# Altium PCB matrix.PcbDoc (part 1 of 5)
Units mm, origin at the board's own origin, x right, y up, seen from the top; angles counter-clockwise.
Board outline 350 x 105 mm, 2 copper layers (Top Layer, Bottom Layer), stack 1.571 mm thick; 187 components, 143 nets, 1443 pads, 602 vias.
Unrouted connection lines stored in the file: 3.
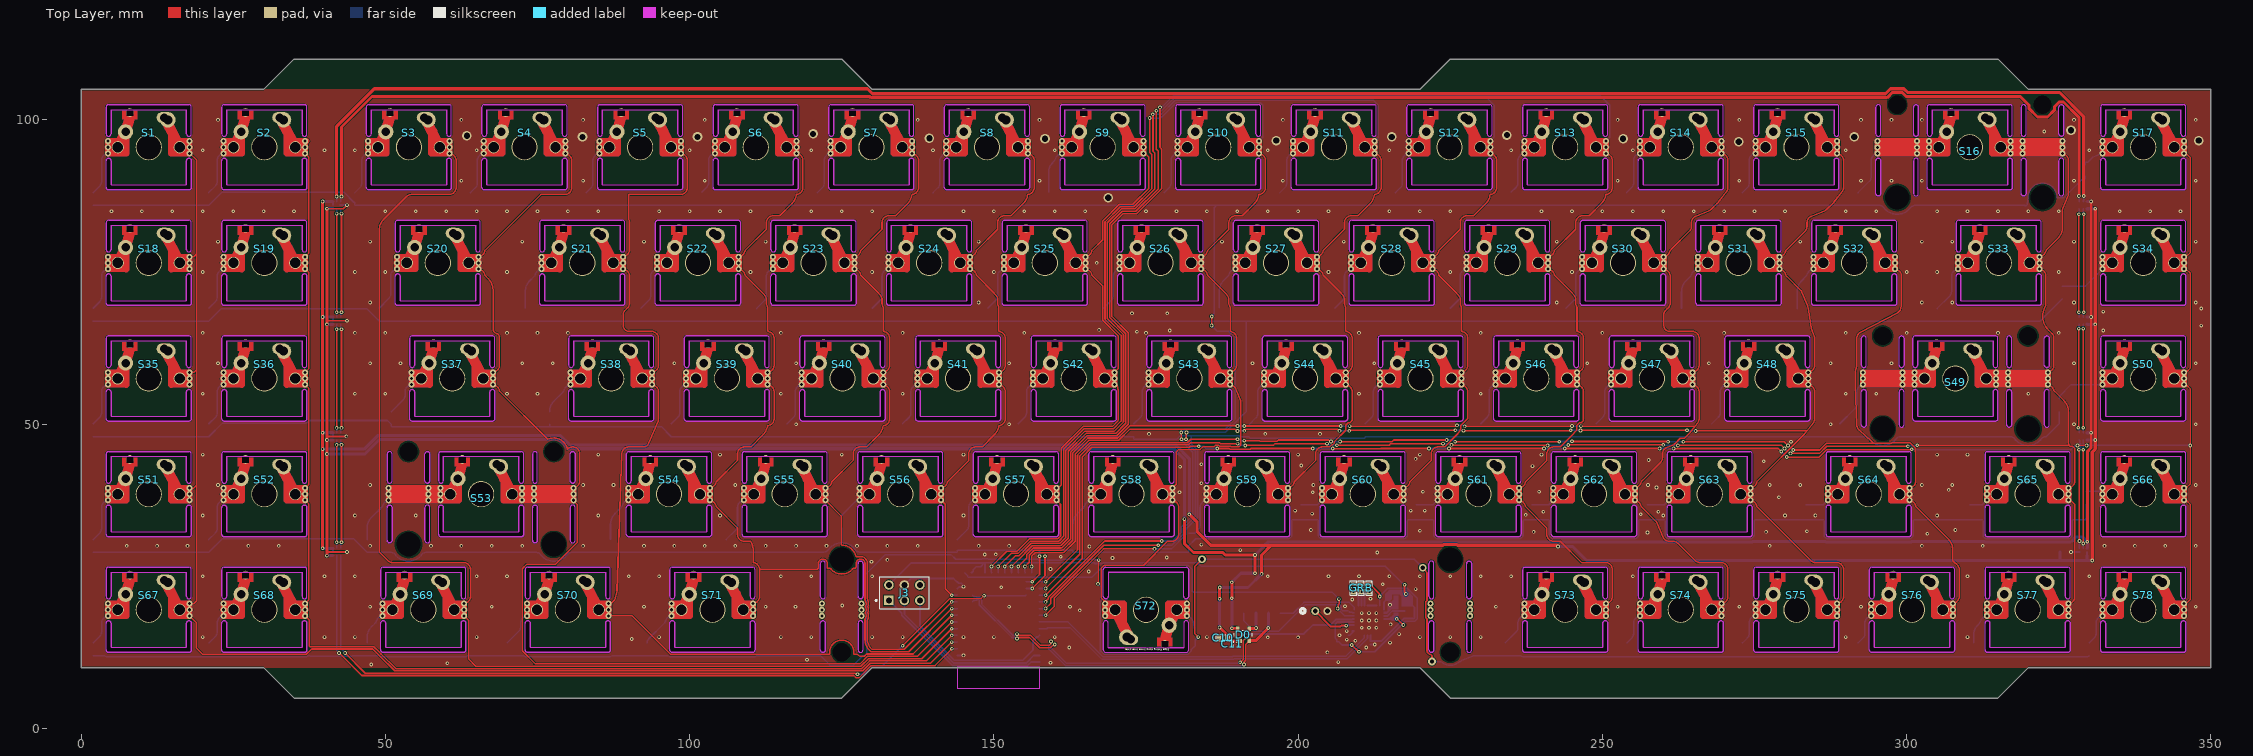
[diagram p0: Top Layer view]
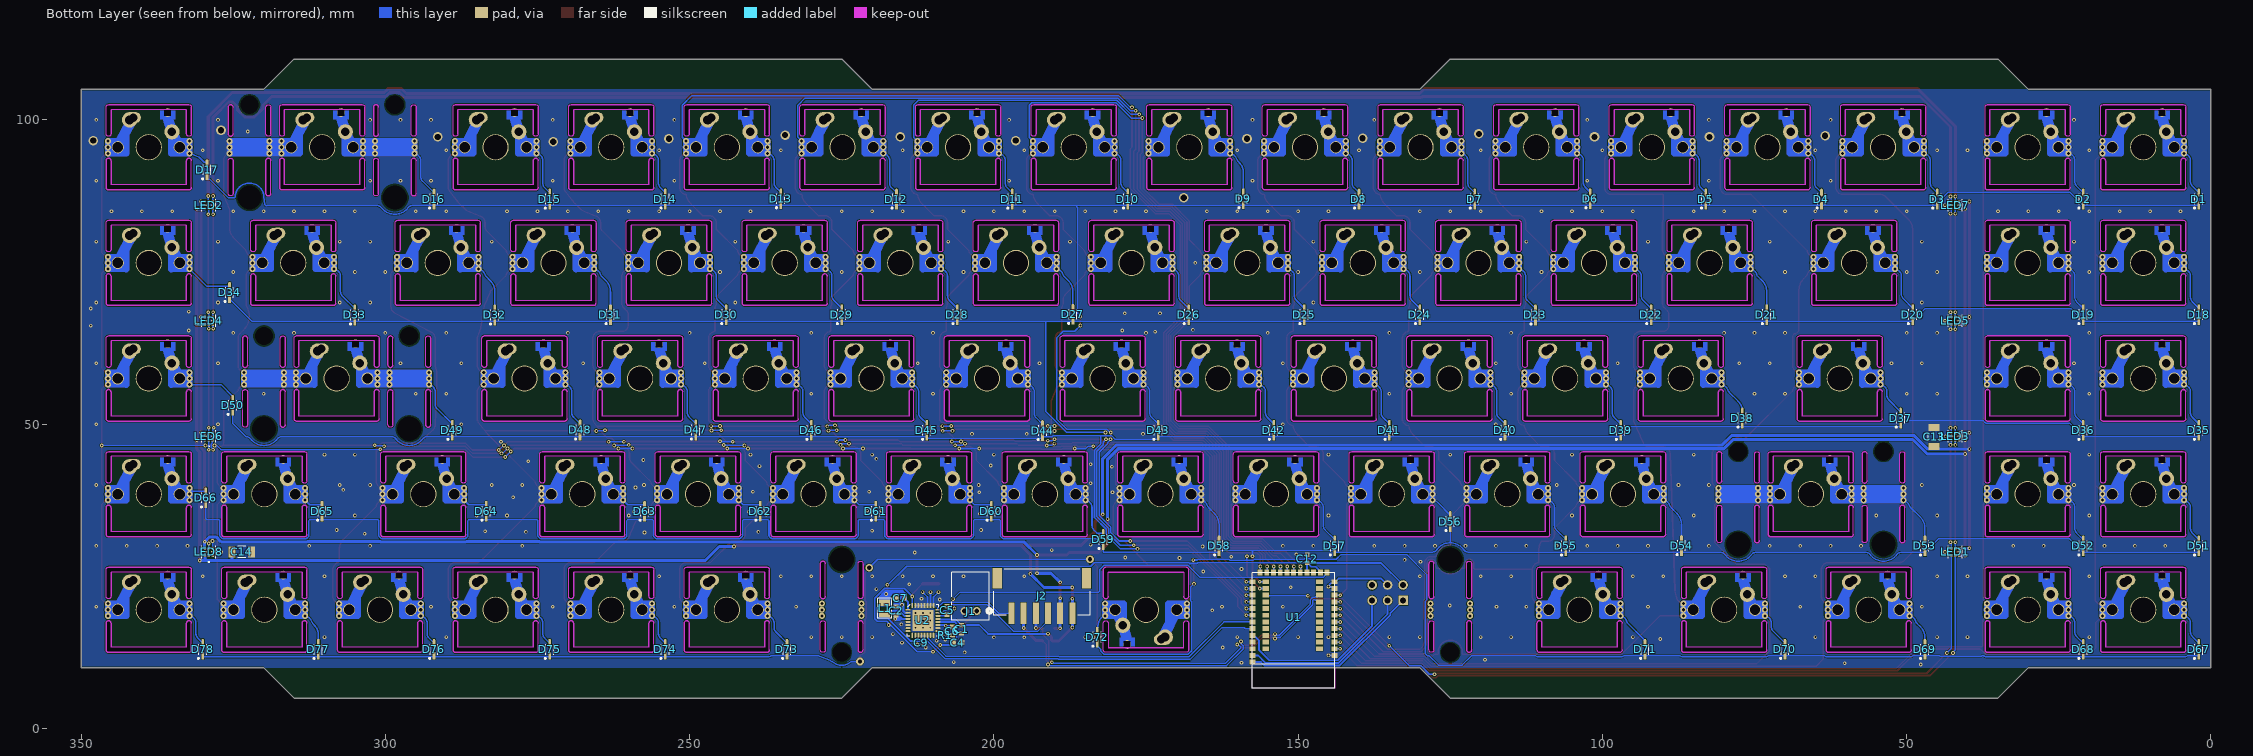
[diagram p1: Bottom Layer view, seen from below]

## Layer stack, top to bottom
Top Solder: solder mask 0.0102, Solder Resist, Dk 3.5
Top Layer: signal copper 0.0356
Dielectric2: dielectric 1.5, FR-4, Dk 4.8
Bottom Layer: signal copper 0.0356
Bottom Solder: solder mask 0.0102, Solder Resist, Dk 3.5

## Board outline
220,105 225,110 315,110 320,105 350,105 350,10 320,10 315,5 225,5 220,10 130,10 125,5 35,5 30,10 0,10 0,105 30,105 35,110 125,110 130,105

## Design rules (kind name [scope] priority, off if disabled: settings)
BoardOutlineClearance [All] p1: gap=0.2 ignorepadtopadclearanceinfootprint=FALSE
Clearance [All] p1: gap=0.127 ignorepadtopadclearanceinfootprint=FALSE except(0.25: Arc-Hole Track-Hole SMDPad-Hole THPad-Hole Via-Hole Fill-Hole Poly-Hole Region-Hole Text-Hole)
ComponentClearance [All] p1: gap=0.127 collisioncheckmode=3 verticalgap=0.127 showdistances=TRUE
DiffPairsRouting [All] p1: maxlimit=0.254 minlimit=0.127 mostfreqgap=0.127 toplayer_minwidth=0.127 toplayer_maxwidth=25.4 toplayer_prefwidth=0.127 bottomlayer_minwidth=0.127 bottomlayer_maxwidth=25.4 bottomlayer_prefwidth=0.127 maxuncoupledlength=12.7
Height [All] p1: minheight=0 maxheight=1816.048 prefheight=12.7
HoleSize [All] p1: absolutevalues=TRUE maxlimit=6.3 minlimit=0.3 maxpercent=80.000 minpercent=20.000
HoleToHoleClearance [All] p1: gap=0.25 allowstackedmicrovias=FALSE
MinimumAnnularRing [All] p1: minimumring=0.076
MinimumSolderMaskSliver [All] p1: minsoldermaskwidth=0
PlaneClearance [All] p1: clearance=0.127
PlaneConnect PlaneConnectPowerPads [InPadClass('PowerPads')] p1: planeconnectstyle=Direct reliefexpansion=0.508 reliefentries=4 reliefconductorwidth=0.254 reliefairgap=0.254
PlaneConnect [All] p2: planeconnectstyle=Direct reliefexpansion=0.3 reliefentries=4 reliefconductorwidth=0.127 reliefairgap=0.127
PolygonConnect PolygonConnectPowerPads [All vs (InPadClass('PowerPads'))] p1: connectstyle=Direct reliefconductorwidth=0.254 reliefentries=4 polygonreliefangle="90 Angle" airgapwidth=0.254
PolygonConnect [All] p2: connectstyle=Direct reliefconductorwidth=0.127 reliefentries=4 polygonreliefangle="90 Angle" airgapwidth=0.127
RoutingVias [All] p1: holewidth=0.3 width=0.6 viastyle="Through Hole" minholewidth=0.3 minwidth=0.6 maxholewidth=0.6 maxwidth=6.6
SilkToSilkClearance [All] p1: silktosilkclearance=0
SilkToSolderMaskClearance [IsPad] p1: minsilkscreentomaskgap=0.127 clearancetoexposedcopper=TRUE
SolderMaskExpansion [All] p1: expansion=0.075 istentingtop=FALSE
Width [All] p1: maxlimit=25.4 minlimit=0.127 preferedwidth=0.127 minimp=50.000000 maximp=50.000000 favimp=50.000000
20 further rules are at their usual default settings.

## Classes and differential pairs
differential pair D: +D_P -D_N

## Components (designator, comment, footprint, x,y, rotation, side; value= is the part's Value field where it differs from the comment)
B "0603" CAPC1608X06L 211.7,23.1 r270 top (schematic designator LED_B)
C1 "1.0µF" CAPC1608X06L 205.3,16.3 r90 bottom
C2 "10µF" CAPC1608X06L 216.075,19.3 r270 bottom
C4 "10µF" CAPC1608X06L 205.9,14.1 r0 bottom
C5 "1.0µF" CAPC1608X06L 207.7,19.4 r270 bottom
C6 "2.2µF" CAPC1608X06L 206.8,16 r90 bottom
C7 "10µF" CAPC1608X06L 215.4,21.4 r180 bottom
C9 "100nF" CAPC0603X03L_C 211.9,14.1 r270 bottom
C10 "1.0µF" CAPC1608X06L 187.7,14.9 r0 top
C11 "100nF" CAPC0603X03L_C 189.2,13.9 r90 top
C12 "1.0µF" CAPC1608X06L 148.5,27.9 r270 bottom
C13 "GRM31CR61A107MEA8K" FP-GRM31C-0_3-e0_3_0_8-MFG 45.5,47.9 r270 bottom
C14 "GRM31CR61A107MEA8K" FP-GRM31C-0_3-e0_3_0_8-MFG 323.6,29 r0 bottom
D0 "PRTR5V0U2X,215" FP-SOT143B-MFG 191,15.4 r90 top
D1 "DIODE-2" 1N4148 2,87 r90 bottom
D2 "DIODE-2" 1N4148 21,87 r90 bottom
D3 "DIODE-2" 1N4148 45,87 r90 bottom
D4 "DIODE-2" 1N4148 64,87 r90 bottom
D5 "DIODE-2" 1N4148 83,87 r90 bottom
D6 "DIODE-2" 1N4148 102,87.05 r90 bottom
D7 "DIODE-2" 1N4148 121,87 r90 bottom
D8 "DIODE-2" 1N4148 140,87 r90 bottom
D9 "DIODE-2" 1N4148 159,87.05 r90 bottom
D10 "DIODE-2" 1N4148 178,87 r90 bottom
D11 "DIODE-2" 1N4148 197,87 r90 bottom
D12 "DIODE-2" 1N4148 216,87 r90 bottom
D13 "DIODE-2" 1N4148 235,87.05 r90 bottom
D14 "DIODE-2" 1N4148 254,87 r90 bottom
D15 "DIODE-2" 1N4148 273,87 r90 bottom
D16 "DIODE-2" 1N4148 292,87 r90 bottom
D17 "DIODE-2" 1N4148 329.3,91.8 r90 bottom
D18 "DIODE-2" 1N4148 2,68 r90 bottom
D19 "DIODE-2" 1N4148 21,68 r90 bottom
D20 "DIODE-2" 1N4148 49,68 r90 bottom
D21 "DIODE-2" 1N4148 73,68 r90 bottom
D22 "DIODE-2" 1N4148 92,68 r90 bottom
D23 "DIODE-2" 1N4148 111,67.95 r90 bottom
D24 "DIODE-2" 1N4148 130,68 r90 bottom
D25 "DIODE-2" 1N4148 149,68 r90 bottom
D26 "DIODE-2" 1N4148 168,68 r90 bottom
D27 "DIODE-2" 1N4148 187,68.05 r90 bottom
D28 "DIODE-2" 1N4148 206,68 r90 bottom
D29 "DIODE-2" 1N4148 225,68 r90 bottom
D30 "DIODE-2" 1N4148 244,68 r90 bottom
D31 "DIODE-2" 1N4148 263,68 r90 bottom
D32 "DIODE-2" 1N4148 282,67.95 r90 bottom
D33 "DIODE-2" 1N4148 305,67.95 r90 bottom
D34 "DIODE-2" 1N4148 325.6,71.65 r90 bottom
D35 "DIODE-2" 1N4148 2,49 r90 bottom
D36 "DIODE-2" 1N4148 21,49 r90 bottom
D37 "DIODE-2" 1N4148 51,51 r90 bottom
D38 "DIODE-2" 1N4148 77,51 r90 bottom
D39 "DIODE-2" 1N4148 97,49 r90 bottom
D40 "DIODE-2" 1N4148 116,49 r90 bottom
D41 "DIODE-2" 1N4148 135,49 r90 bottom
D42 "DIODE-2" 1N4148 154,49 r90 bottom
D43 "DIODE-2" 1N4148 173,49 r90 bottom
D44 "DIODE-2" 1N4148 192,48.95 r90 bottom
D45 "DIODE-2" 1N4148 211,49 r90 bottom
D46 "DIODE-2" 1N4148 230,49 r90 bottom
D47 "DIODE-2" 1N4148 249,49.05 r90 bottom
D48 "DIODE-2" 1N4148 268,49.05 r90 bottom
D49 "DIODE-2" 1N4148 289,49 r90 bottom
D50 "DIODE-2" 1N4148 325.1,53.1 r90 bottom
D51 "DIODE-2" 1N4148 2,30 r90 bottom
D52 "DIODE-2" 1N4148 21,30 r90 bottom
D53 "DIODE-2" 1N4148 47,30 r90 bottom
D54 "DIODE-2" 1N4148 87,30.05 r90 bottom
D55 "DIODE-2" 1N4148 106,30 r90 bottom
D56 "DIODE-2" 1N4148 125,34 r90 bottom
D57 "DIODE-2" 1N4148 144,30 r90 bottom
D58 "DIODE-2" 1N4148 163,30 r90 bottom
D59 "DIODE-2" 1N4148 182,31.05 r90 bottom
D60 "DIODE-2" 1N4148 200.4,35.7 r90 bottom
D61 "DIODE-2" 1N4148 219.4,35.7 r90 bottom
D62 "DIODE-2" 1N4148 238.4,35.7 r90 bottom
D63 "DIODE-2" 1N4148 257.4,35.7 r90 bottom
D64 "DIODE-2" 1N4148 283.4,35.7 r90 bottom
D65 "DIODE-2" 1N4148 310.4,35.7 r90 bottom
D66 "DIODE-2" 1N4148 329.5,37.9 r90 bottom
D67 "DIODE-2" 1N4148 2,13 r90 bottom
D68 "DIODE-2" 1N4148 21,13 r90 bottom
D69 "DIODE-2" 1N4148 47,13 r90 bottom
D70 "DIODE-2" 1N4148 70,13 r90 bottom
D71 "DIODE-2" 1N4148 93,13 r90 bottom
D72 "DIODE-2" 1N4148 183,15 r90 bottom
D73 "DIODE-2" 1N4148 234,13 r90 bottom
D74 "DIODE-2" 1N4148 254,13 r90 bottom
D75 "DIODE-2" 1N4148 273,13 r90 bottom
D76 "DIODE-2" 1N4148 292,13 r90 bottom
D77 "DIODE-2" 1N4148 311,13 r90 bottom
D78 "DIODE-2" 1N4148 330,13 r90 bottom
G "0603" CAPC1608X06L 209.1,23.1 r270 top (schematic designator LED_G)
J1 "S2B-PH-K-SLFSN" CONN_S2B-PH-K-S_JST 202.813,19.296 r0 bottom
J2 "S6B-PH-SM4-TB(LF)(SN)" JST-S6B-PH-SM4-TB(LF)(SN)_V 192.1,21.8 r0 bottom
J3 "M20-9980346" FP-M20-9980346-MFG 135.3,22.3 r0 top
L1 "2.2µH" INDC2016X10N 217.95,19.775 r270 bottom
LED1 "APA-102-2020-256-8" LED_APA-102-2020-256-8 42,29 r270 bottom
LED2 "APA-102-2020-256-8" LED_APA-102-2020-256-8 329,86 r90 bottom
LED3 "APA-102-2020-256-8" LED_APA-102-2020-256-8 42,48 r270 bottom
LED4 "APA-102-2020-256-8" LED_APA-102-2020-256-8 329,67 r90 bottom
LED5 "APA-102-2020-256-8" LED_APA-102-2020-256-8 42,67 r270 bottom
LED6 "APA-102-2020-256-8" LED_APA-102-2020-256-8 329,48 r90 bottom
LED7 "APA-102-2020-256-8" LED_APA-102-2020-256-8 42,86 r270 bottom
LED8 "APA-102-2020-256-8" LED_APA-102-2020-256-8 329,29 r90 bottom
R "0603" CAPC1608X06L 210.4,23.1 r270 top (schematic designator LED_R)
R1 "150K" RESC0603X03L_C 208,15.3 r0 bottom value=150k
S1 "CHERRY MX" 1U-CHERRY-SMK-CUTOUT#1 11.125,95.5 r0 top
S2 "CHERRY MX" 1U-CHERRY-SMK-CUTOUT#2 30.125,95.5 r0 top
S3 "CHERRY MX" 1U-CHERRY-SMK-CUTOUT#3 53.875,95.5 r0 top
S4 "CHERRY MX" 1U-CHERRY-SMK-CUTOUT#2 72.875,95.5 r0 top
S5 "CHERRY MX" 1U-CHERRY-SMK-CUTOUT#2 91.875,95.5 r0 top
S6 "CHERRY MX" 1U-CHERRY-SMK-CUTOUT#2 110.875,95.5 r0 top
S7 "CHERRY MX" 1U-CHERRY-SMK-CUTOUT#2 129.875,95.5 r0 top
S8 "CHERRY MX" 1U-CHERRY-SMK-CUTOUT#2 148.875,95.5 r0 top
S9 "CHERRY MX" 1U-CHERRY-SMK-CUTOUT#4 167.875,95.5 r0 top
S10 "CHERRY MX" 1U-CHERRY-SMK-CUTOUT#5 186.875,95.5 r0 top
S11 "CHERRY MX" 1U-CHERRY-SMK-CUTOUT#5 205.875,95.5 r0 top
S12 "CHERRY MX" 1U-CHERRY-SMK-CUTOUT#2 224.875,95.5 r0 top
S13 "CHERRY MX" 1U-CHERRY-SMK-CUTOUT#5 243.875,95.5 r0 top
S14 "CHERRY MX" 1U-CHERRY-SMK-CUTOUT#3 262.875,95.5 r0 top
S15 "CHERRY MX" 1U-CHERRY-SMK-CUTOUT#3 281.875,95.5 r0 top
S16 "CHERRY MX" 2U-STAB-CHERRY-SMK-CUTOUT 310.375,95.5 r0 top
S17 "CHERRY MX" 1U-CHERRY-SMK-CUTOUT#2 338.875,95.5 r0 top
S18 "CHERRY MX" 1U-CHERRY-SMK-CUTOUT#6 11.125,76.5 r0 top
S19 "CHERRY MX" 1U-CHERRY-SMK-CUTOUT#2 30.125,76.5 r0 top
S20 "CHERRY MX" 1.5U-CHERRY-SMK-CUTOUT#1 58.625,76.5 r0 top
S21 "CHERRY MX" 1U-CHERRY-SMK-CUTOUT#2 82.375,76.5 r0 top
S22 "CHERRY MX" 1U-CHERRY-SMK-CUTOUT#2 101.375,76.5 r0 top
S23 "CHERRY MX" 1U-CHERRY-SMK-CUTOUT#2 120.375,76.5 r0 top
S24 "CHERRY MX" 1U-CHERRY-SMK-CUTOUT#2 139.375,76.5 r0 top
S25 "CHERRY MX" 1U-CHERRY-SMK-CUTOUT#5 158.375,76.5 r0 top
S26 "CHERRY MX" 1U-CHERRY-SMK-CUTOUT#5 177.375,76.5 r0 top
S27 "CHERRY MX" 1U-CHERRY-SMK-CUTOUT#5 196.375,76.5 r0 top
S28 "CHERRY MX" 1U-CHERRY-SMK-CUTOUT#2 215.375,76.5 r0 top
S29 "CHERRY MX" 1U-CHERRY-SMK-CUTOUT#5 234.375,76.5 r0 top
S30 "CHERRY MX" 1U-CHERRY-SMK-CUTOUT#5 253.375,76.5 r0 top
S31 "CHERRY MX" 1U-CHERRY-SMK-CUTOUT#5 272.375,76.5 r0 top
S32 "CHERRY MX" 1U-CHERRY-SMK-CUTOUT#3 291.375,76.5 r0 top
S33 "CHERRY MX" 1.5U-CHERRY-SMK-CUTOUT#2 315.125,76.5 r0 top
S34 "CHERRY MX" 1U-CHERRY-SMK-CUTOUT#7 338.875,76.5 r0 top
S35 "CHERRY MX" 1U-CHERRY-SMK-CUTOUT#6 11.125,57.5 r0 top
S36 "CHERRY MX" 1U-CHERRY-SMK-CUTOUT#2 30.125,57.5 r0 top
S37 "CHERRY MX" 1.75U-CHERRY-SMK-CUTOUT#1 61,57.5 r0 top
S38 "CHERRY MX" 1U-CHERRY-SMK-CUTOUT#8 87.125,57.5 r0 top
S39 "CHERRY MX" 1U-CHERRY-SMK-CUTOUT#2 106.125,57.5 r0 top
S40 "CHERRY MX" 1U-CHERRY-SMK-CUTOUT#2 125.125,57.5 r0 top
S41 "CHERRY MX" 1U-CHERRY-SMK-CUTOUT#2 144.125,57.5 r0 top
S42 "CHERRY MX" 1U-CHERRY-SMK-CUTOUT#5 163.125,57.5 r0 top
S43 "CHERRY MX" 1U-CHERRY-SMK-CUTOUT#5 182.125,57.5 r0 top
S44 "CHERRY MX" 1U-CHERRY-SMK-CUTOUT#5 201.125,57.5 r0 top
S45 "CHERRY MX" 1U-CHERRY-SMK-CUTOUT#2 220.125,57.5 r0 top
S46 "CHERRY MX" 1U-CHERRY-SMK-CUTOUT#5 239.125,57.5 r0 top
S47 "CHERRY MX" 1U-CHERRY-SMK-CUTOUT#9 258.125,57.5 r0 top
S48 "CHERRY MX" 1U-CHERRY-SMK-CUTOUT#9 277.125,57.5 r0 top
S49 "CHERRY MX" 2.25U-STAB-CHERRY-SMK-CUTOUT#1 308,57.5 r0 top
S50 "CHERRY MX" 1U-CHERRY-SMK-CUTOUT#10 338.875,57.5 r0 top
S51 "CHERRY MX" 1U-CHERRY-SMK-CUTOUT#6 11.125,38.5 r0 top
S52 "CHERRY MX" 1U-CHERRY-SMK-CUTOUT#2 30.125,38.5 r0 top
S53 "CHERRY MX" 2.25U-STAB-CHERRY-SMK-CUTOUT#2 65.75,38.5 r0 top
S54 "CHERRY MX" 1U-CHERRY-SMK-CUTOUT#2 96.625,38.5 r0 top
S55 "CHERRY MX" 1U-CHERRY-SMK-CUTOUT#2 115.625,38.5 r0 top
S56 "CHERRY MX" 1U-CHERRY-SMK-CUTOUT#11 134.625,38.5 r0 top
S57 "CHERRY MX" 1U-CHERRY-SMK-CUTOUT#5 153.625,38.5 r0 top
S58 "CHERRY MX" 1U-CHERRY-SMK-CUTOUT#5 172.625,38.5 r0 top
S59 "CHERRY MX" 1U-CHERRY-SMK-CUTOUT#12 191.625,38.5 r0 top
S60 "CHERRY MX" 1U-CHERRY-SMK-CUTOUT#2 210.625,38.5 r0 top
S61 "CHERRY MX" 1U-CHERRY-SMK-CUTOUT#5 229.625,38.5 r0 top
S62 "CHERRY MX" 1U-CHERRY-SMK-CUTOUT#5 248.625,38.5 r0 top
S63 "CHERRY MX" 1U-CHERRY-SMK-CUTOUT#5 267.625,38.5 r0 top
S64 "CHERRY MX" 1.75U-CHERRY-SMK-CUTOUT#2 293.75,38.5 r0 top
S65 "CHERRY MX" 1U-CHERRY-SMK-CUTOUT#9 319.875,38.5 r0 top
S66 "CHERRY MX" 1U-CHERRY-SMK-CUTOUT#13 338.875,38.5 r0 top
S67 "CHERRY MX" 1U-CHERRY-SMK-CUTOUT#5 11.125,19.5 r0 top
S68 "CHERRY MX" 1U-CHERRY-SMK-CUTOUT#2 30.125,19.5 r0 top
S69 "CHERRY MX" 1.25U-CHERRY-SMK-CUTOUT#1 56.25,19.5 r0 top
S70 "CHERRY MX" 1.25U-CHERRY-SMK-CUTOUT#2 80,19.5 r0 top
S71 "CHERRY MX" 1.25U-CHERRY-SMK-CUTOUT#2 103.75,19.5 r0 top
S72 "CHERRY MX" 6.25U-STAB-CHERRY-SMK-CUTOUT 175,19.5 r180 top locked
S73 "CHERRY MX" 1U-CHERRY-SMK-CUTOUT#6 243.875,19.5 r0 top
S74 "CHERRY MX" 1U-CHERRY-SMK-CUTOUT#14 262.875,19.5 r0 top
S75 "CHERRY MX" 1U-CHERRY-SMK-CUTOUT#14 281.875,19.5 r0 top
S76 "CHERRY MX" 1U-CHERRY-SMK-CUTOUT#6 300.875,19.5 r0 top
S77 "CHERRY MX" 1U-CHERRY-SMK-CUTOUT#15 319.875,19.5 r0 top
S78 "CHERRY MX" 1U-CHERRY-SMK-CUTOUT#8 338.875,19.5 r0 top
U1 "HolyIOT-21069-nRF5340" HOLYIOT-21069-NRF5340 150.75,18.25 r0 bottom
U2 "nPM1300-QEAA" Nordic_QFN50P500X500X90-33N 211.65,17.75 r180 bottom

## Footprints (in the part's own frame and the unit in brackets; to place one, negate y for a bottom-side part, rotate by r counter-clockwise, add the part's x,y. Pads: shape width x height; smd on the part's side, far side on the other; paste and mask are expansions set on the pad)
1.5U-CHERRY-SMK-CUTOUT#1 [mm]
  round 4.3 hole 3.988: 0(0,0.002)
  round 1 hole 0.5 mask+0.05: 1(-6.7,-0.998) 1(-6.7,0.002) 1(-6.7,1.002) 2(6.7,-0.998) 2(6.7,0.002) 2(6.7,1.002)
  round 2 hole 1.702: 1(-5.08,0.002) 2(5.08,0.002)
  round 2.5 hole 1.4: 1(-3.81,2.542)
  oval 1.125x1.425 hole 1.1 square: 1(-3.1,5.702)
  oval 2.5x1.8 hole 1.4: 2(2.54,4.879)
  round 2.54 hole 1.5: 2(3.15,4.502)
  Top Layer region: -4.35,6 -4.35,4.602 -1.85,4.602 -1.85,6
  Top Layer lines w1: -4.3,1.002 -6.7,1.002 -6.7,0.002 -6.7,-0.998 -5.08,-0.998 -3.7,-0.998 -3.7,1.902 ; 3.7,1.902 3.7,0.002 3.7,-0.998 5.08,-0.998 6.7,-0.998 6.7,0.002 6.7,1.002 5.08,1.002 4.58,1.002 4.3,1.002
  Top Layer lines w1.1: -6.7,0.002 -5.08,0.002 ; 5.08,0.002 6.7,0.002
  Top Layer lines w1.7: -5.08,0.002 -3.81,2.542 -3.11,4.942 ; 2.54,4.879 2.837,4.332 3.81,2.542 4.58,1.002 5.08,0.002
  Bottom Layer region: -4.35,6 -4.35,4.602 -1.85,4.602 -1.85,6
  Bottom Layer lines w1: -5.08,0.002 -6.7,0.002 ; -4.3,1.002 -6.7,1.002 -6.7,0.002 ; -3.7,1.902 -3.7,-0.998 -5.08,-0.998 -6.7,-0.998 ; 3.7,1.902 3.7,0.002 3.7,-0.998 5.08,-0.998 6.7,-0.998 6.7,0.002 6.7,1.002 5.08,1.002 4.58,1.002 4.3,1.002 ; -6.7,-0.998 -6.7,-0.998 ; -6.7,-0.998 -6.7,-0.998 ; -6.7,-0.998 -6.7,0.002
  Bottom Layer lines w1.1: 5.08,0.002 6.7,0.002
  Bottom Layer lines w1.7: -5.08,0.002 -3.81,2.542 -3.11,4.942 ; 2.54,4.879 2.837,4.332 3.81,2.542 4.58,1.002 5.08,0.002
  Keep-Out Layer board cut-out: 7,2.202 7,6.602 6.97,6.755 6.883,6.885 6.753,6.972 6.6,7.002 6.6,7.002 -6.6,7.002 -6.753,6.972 -6.883,6.885 -6.969,6.755 -7,6.602 -7,6.602 -7,2.202 -6.96,2.029 -6.849,1.89 -6.689,1.812 -6.511,1.812 -6.35,1.89 -6.239,2.029 -6.2,2.202 -6.2,2.202 -6.2,6.202 6.2,6.202 6.2,2.202 6.24,2.029 6.351,1.89 6.511,1.812 6.689,1.812 6.85,1.89 6.961,2.029 7,2.202
  Keep-Out Layer board cut-out: 7,-2.198 7,-6.598 6.97,-6.751 6.883,-6.88 6.753,-6.967 6.6,-6.998 6.6,-6.998 -6.6,-6.998 -6.753,-6.967 -6.883,-6.88 -6.969,-6.751 -7,-6.598 -7,-6.598 -7,-2.198 -6.96,-2.024 -6.849,-1.885 -6.689,-1.808 -6.511,-1.808 -6.35,-1.885 -6.239,-2.024 -6.2,-2.198 -6.2,-2.198 -6.2,-6.198 6.2,-6.198 6.2,-2.198 6.24,-2.024 6.351,-1.885 6.511,-1.808 6.689,-1.808 6.85,-1.885 6.961,-2.024 7,-2.198
  Keep-Out Layer lines w0.1: -7,-6.598 ccw(c-6.6,-6.598) -6.6,-6.998 6.6,-6.998 ccw(c6.6,-6.598) 7,-6.598 7,-2.198 ccw(c6.6,-2.198) 6.2,-2.198 6.2,-6.198 -6.2,-6.198 -6.2,-2.198 ccw(c-6.6,-2.198) -7,-2.198 -7,-6.598 ; -7,2.202 ccw(c-6.6,2.202) -6.2,2.202 -6.2,6.202 6.2,6.202 6.2,2.202 ccw(c6.6,2.202) 7,2.202 7,6.602 ccw(c6.6,6.602) 6.6,7.002 -6.6,7.002 ccw(c-6.6,6.602) -7,6.602 -7,2.202
  body extent -9,-9 9,9, height 23
1.5U-CHERRY-SMK-CUTOUT#2 [mm]
  round 4.3 hole 3.988: 0(0,0.002)
  round 1 hole 0.5 mask+0.05: 1(-6.7,-0.998) 1(-6.7,0.002) 1(-6.7,1.002) 2(6.7,-0.998) 2(6.7,0.002) 2(6.7,1.002)
  round 2 hole 1.702: 1(-5.08,0.002) 2(5.08,0.002)
  round 2.5 hole 1.4: 1(-3.81,2.542)
  oval 1.125x1.425 hole 1.1 square: 1(-3.1,5.702)
  oval 2.5x1.8 hole 1.4: 2(2.54,4.879)
  round 2.54 hole 1.5: 2(3.15,4.502)
  Top Layer region: -4.35,6 -4.35,4.602 -1.85,4.602 -1.85,6
  Top Layer lines w1: -4.3,1.002 -6.7,1.002 -6.7,0.002 -6.7,-0.998 -5.08,-0.998 -3.7,-0.998 -3.7,1.902 ; 3.7,1.902 3.7,-0.998 5.08,-0.998 6.7,-0.998 6.7,0.002 6.7,1.002 5.08,1.002 4.58,1.002 4.3,1.002
  Top Layer lines w1.1: -6.7,0.002 -5.08,0.002 ; 5.08,0.002 6.7,0.002
  Top Layer lines w1.7: -5.08,0.002 -3.81,2.542 -3.11,4.942 ; 2.54,4.879 3.81,2.542 5.08,0.002
  Bottom Layer region: -4.35,6 -4.35,4.602 -1.85,4.602 -1.85,6
  Bottom Layer lines w1: -5.08,0.002 -6.7,0.002 ; -4.3,1.002 -6.7,1.002 -6.7,0.002 ; -3.7,1.902 -3.7,-0.998 -5.08,-0.998 -6.7,-0.998 ; 3.7,1.902 3.7,-0.998 5.08,-0.998 6.7,-0.998 6.7,0.002 6.7,1.002 5.08,1.002 4.58,1.002 4.3,1.002 ; -6.7,-0.998 -6.7,-0.998 ; -6.7,-0.998 -6.7,-0.998 ; -6.7,-0.998 -6.7,0.002
  Bottom Layer lines w1.1: 5.08,0.002 6.7,0.002
  Bottom Layer lines w1.7: -5.08,0.002 -3.81,2.542 -3.11,4.942 ; 2.54,4.879 3.81,2.542 5.08,0.002
  Keep-Out Layer board cut-out: 7,2.202 7,6.602 6.97,6.755 6.883,6.885 6.753,6.972 6.6,7.002 6.6,7.002 -6.6,7.002 -6.753,6.972 -6.883,6.885 -6.969,6.755 -7,6.602 -7,6.602 -7,2.202 -6.96,2.029 -6.849,1.89 -6.689,1.812 -6.511,1.812 -6.35,1.89 -6.239,2.029 -6.2,2.202 -6.2,2.202 -6.2,6.202 6.2,6.202 6.2,2.202 6.24,2.029 6.351,1.89 6.511,1.812 6.689,1.812 6.85,1.89 6.961,2.029 7,2.202
  Keep-Out Layer board cut-out: 7,-2.198 7,-6.598 6.97,-6.751 6.883,-6.88 6.753,-6.967 6.6,-6.998 6.6,-6.998 -6.6,-6.998 -6.753,-6.967 -6.883,-6.88 -6.969,-6.751 -7,-6.598 -7,-6.598 -7,-2.198 -6.96,-2.024 -6.849,-1.885 -6.689,-1.808 -6.511,-1.808 -6.35,-1.885 -6.239,-2.024 -6.2,-2.198 -6.2,-2.198 -6.2,-6.198 6.2,-6.198 6.2,-2.198 6.24,-2.024 6.351,-1.885 6.511,-1.808 6.689,-1.808 6.85,-1.885 6.961,-2.024 7,-2.198
  Keep-Out Layer lines w0.1: -7,-6.598 ccw(c-6.6,-6.598) -6.6,-6.998 6.6,-6.998 ccw(c6.6,-6.598) 7,-6.598 7,-2.198 ccw(c6.6,-2.198) 6.2,-2.198 6.2,-6.198 -6.2,-6.198 -6.2,-2.198 ccw(c-6.6,-2.198) -7,-2.198 -7,-6.598 ; -7,2.202 ccw(c-6.6,2.202) -6.2,2.202 -6.2,6.202 6.2,6.202 6.2,2.202 ccw(c6.6,2.202) 7,2.202 7,6.602 ccw(c6.6,6.602) 6.6,7.002 -6.6,7.002 ccw(c-6.6,6.602) -7,6.602 -7,2.202
  body extent -9,-9 9,9, height 23
1.25U-CHERRY-SMK-CUTOUT#1 [mm]
  round 4.3 hole 3.988: 0(0,0.002)
  round 1 hole 0.5 mask+0.05: 1(-6.7,-0.998) 1(-6.7,0.002) 1(-6.7,1.002) 2(6.7,-0.998) 2(6.7,0.002) 2(6.7,1.002)
  round 2 hole 1.702: 1(-5.08,0.002) 2(5.08,0.002)
  round 2.5 hole 1.4: 1(-3.81,2.542)
  oval 1.125x1.425 hole 1.1 square: 1(-3.1,5.702)
  oval 2.5x1.8 hole 1.4: 2(2.54,4.879)
  round 2.54 hole 1.5: 2(3.15,4.502)
  Top Layer region: -4.35,6 -4.35,4.602 -1.85,4.602 -1.85,6
  Top Layer lines w1: -4.3,1.002 -6.7,1.002 -6.7,0.002 -6.7,-0.998 -5.08,-0.998 -3.7,-0.998 ; 3.7,-0.998 5.08,-0.998 6.7,-0.998 6.7,0.002 6.7,1.002 ; 4.3,1.002 4.58,1.002 5.08,1.002 6.7,1.002 ; 6.7,1.002 6.7,1.002 ; 6.7,1.002 6.7,1.002
  Top Layer lines w1.1: -6.7,0.002 -5.08,0.002 ; -3.7,-0.998 -3.7,1.902 ; 3.7,-0.998 3.7,1.902 ; 5.08,0.002 6.7,0.002
  Top Layer lines w1.7: -5.08,0.002 -3.81,2.542 -3.11,4.942 ; 2.54,4.879 3.81,2.542 5.08,0.002
  Bottom Layer region: -4.35,6 -4.35,4.602 -1.85,4.602 -1.85,6
  Bottom Layer lines w1: -4.3,1.002 -6.7,1.002 -6.7,0.002 -6.7,-0.998 ; -3.7,-0.998 -5.08,-0.998 -6.7,-0.998 ; 3.7,-0.998 5.08,-0.998 6.7,-0.998 6.7,0.002 6.7,1.002 5.08,1.002 4.58,1.002 4.3,1.002 ; -6.7,-0.998 -6.7,-0.998 ; -6.7,-0.998 -6.7,-0.998
  Bottom Layer lines w1.1: -6.7,0.002 -5.08,0.002 ; -3.7,-0.998 -3.7,1.902 ; 3.7,-0.998 3.7,1.902 ; 5.08,0.002 6.7,0.002
  Bottom Layer lines w1.7: -5.08,0.002 -3.81,2.542 -3.11,4.942 ; 2.54,4.879 3.81,2.542 5.08,0.002
  Keep-Out Layer board cut-out: 7,-2.198 7,-6.598 6.97,-6.751 6.883,-6.88 6.753,-6.967 6.6,-6.998 6.6,-6.998 -6.6,-6.998 -6.753,-6.967 -6.883,-6.88 -6.969,-6.751 -7,-6.598 -7,-6.598 -7,-2.198 -6.96,-2.024 -6.849,-1.885 -6.689,-1.808 -6.511,-1.808 -6.35,-1.885 -6.239,-2.024 -6.2,-2.198 -6.2,-2.198 -6.2,-6.198 6.2,-6.198 6.2,-2.198 6.24,-2.024 6.351,-1.885 6.511,-1.808 6.689,-1.808 6.85,-1.885 6.961,-2.024 7,-2.198
  Keep-Out Layer board cut-out: 7,2.202 7,6.602 6.97,6.755 6.883,6.885 6.753,6.972 6.6,7.002 6.6,7.002 -6.6,7.002 -6.753,6.972 -6.883,6.885 -6.969,6.755 -7,6.602 -7,6.602 -7,2.202 -6.96,2.029 -6.849,1.89 -6.689,1.812 -6.511,1.812 -6.35,1.89 -6.239,2.029 -6.2,2.202 -6.2,2.202 -6.2,6.202 6.2,6.202 6.2,2.202 6.24,2.029 6.351,1.89 6.511,1.812 6.689,1.812 6.85,1.89 6.961,2.029 7,2.202
  Keep-Out Layer lines w0.1: -7,-6.598 ccw(c-6.6,-6.598) -6.6,-6.998 6.6,-6.998 ccw(c6.6,-6.598) 7,-6.598 7,-2.198 ccw(c6.6,-2.198) 6.2,-2.198 6.2,-6.198 -6.2,-6.198 -6.2,-2.198 ccw(c-6.6,-2.198) -7,-2.198 -7,-6.598 ; -7,2.202 ccw(c-6.6,2.202) -6.2,2.202 -6.2,6.202 6.2,6.202 6.2,2.202 ccw(c6.6,2.202) 7,2.202 7,6.602 ccw(c6.6,6.602) 6.6,7.002 -6.6,7.002 ccw(c-6.6,6.602) -7,6.602 -7,2.202